# Altium PCB 键盘.PcbDoc (part 10 of 10)
Units mm, origin at the board's own origin, x right, y up, seen from the top; angles counter-clockwise.
Board outline 100 x 100 mm, 2 copper layers (Top Layer, Bottom Layer); 85 components, 82 nets, 333 pads, 92 vias.
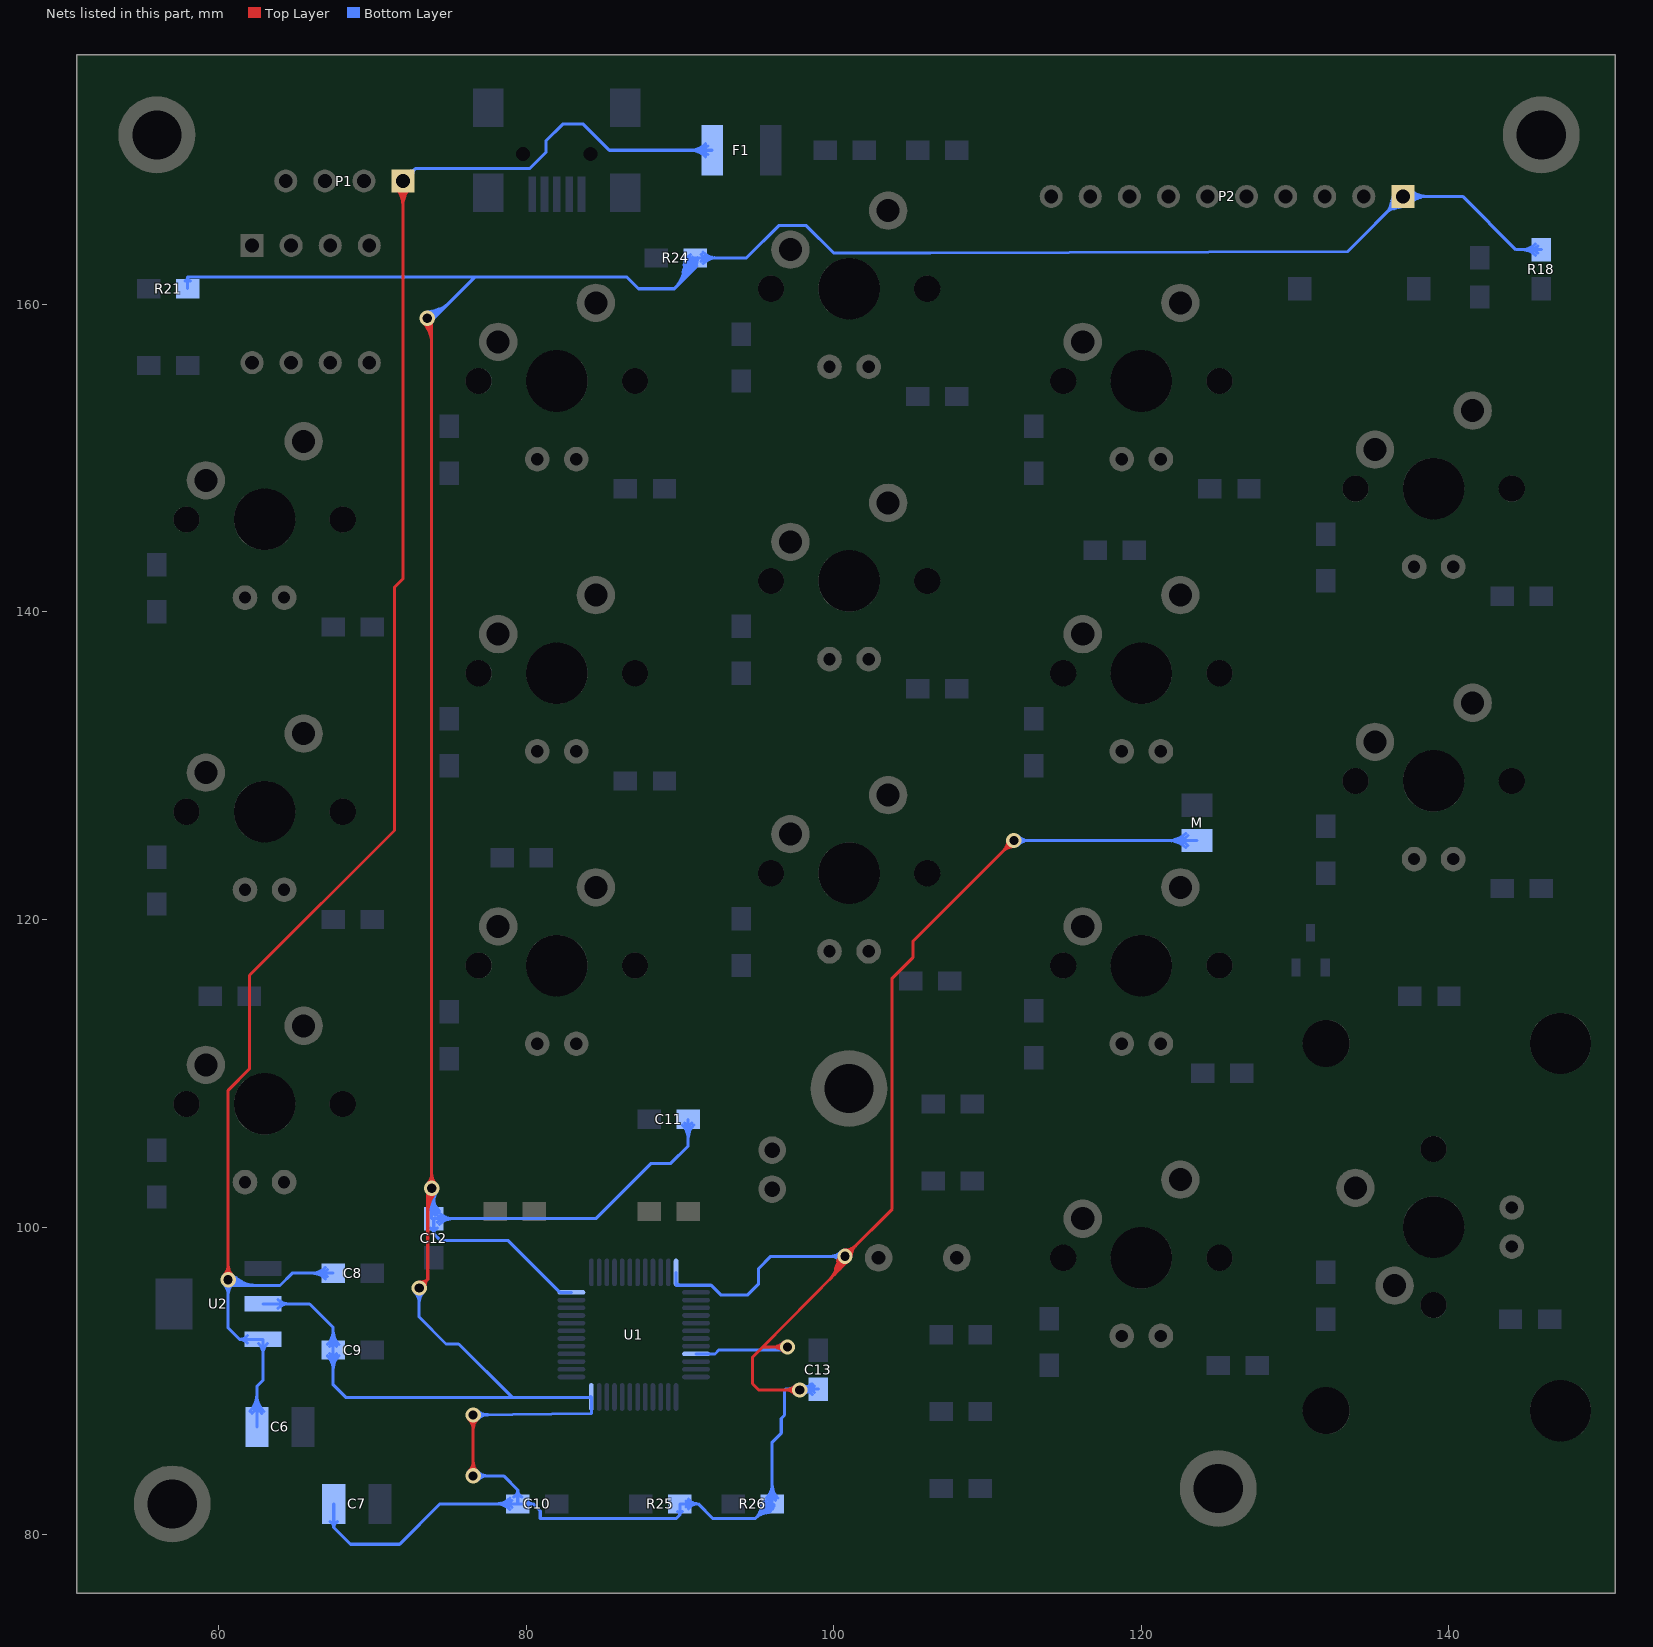
[diagram p10: the nets of this part, all layers, seen from the top]

## Via types
v1: diameter 1, hole 0.6, Top Layer to Bottom Layer, 92 vias

## Nets (pads, with @x,y where several pads share a name; then routed paths per layer and width w, separated by ;. In a path a pad name is that pad's centre, name@x,y a point inside that pad or via, vN(x,y) a via of type N, cw(c..) or ccw(c..) an arc to the next point about the centre after c; other vN are vias at no path point) (continued)
VCC: C6.1 C8.2 F1.1 P1.1 U2.3 | length 214.3
  Top Layer w0.2: v1(60.63,96.571) 60.63,108.882 62.027,110.279 62.027,116.357 71.45,125.781 71.45,141.596 72,142.146 P1.1@72,168 ; v1@60.347,96.854 ccw(c59.664,97.536) 60.63,97.536 ; v1@60.347,96.854 ccw(c59.664,97.536) 60.63,97.536 ; v1@60.347,96.854 ccw(c59.664,97.536) 60.63,97.536 ; 60.63,97.536 ccw(c61.595,97.536) v1@60.913,96.854 ; 60.63,97.536 ccw(c61.595,97.536) v1@60.913,96.854 ; 60.63,97.536 ccw(c61.595,97.536) v1@60.913,96.854 ; P1.1@71.54,167.54 cw(c70.431,166.431) 72,166.431 ; P1.1@71.54,167.54 cw(c70.431,166.431) 72,166.431 ; P1.1@71.54,167.54 cw(c70.431,166.431) 72,166.431 ; P1.1@71.682,167.682 cw(c70.914,166.914) 72,166.914 ; P1.1@71.682,167.682 cw(c70.914,166.914) 72,166.914 ; P1.1@71.682,167.682 cw(c70.914,166.914) 72,166.914 ; 72,166.431 cw(c73.569,166.431) P1.1@72.46,167.54 ; 72,166.431 cw(c73.569,166.431) P1.1@72.46,167.54 ; 72,166.431 cw(c73.569,166.431) P1.1@72.46,167.54 ; 72,166.914 cw(c73.086,166.914) P1.1@72.318,167.682 ; 72,166.914 cw(c73.086,166.914) P1.1@72.318,167.682 ; 72,166.914 cw(c73.086,166.914) P1.1@72.318,167.682
  Bottom Layer w0.2: C6.1@62.5,87 62.5,89.637 62.9,90.037 U2.3@62.9,92.7 61.366,92.7 ; C8.2@67.46,97 64.8,97 64,96.2 61.001,96.2 v1(60.63,96.571) ; P1.1@72,168 72.808,168.808 ; F1.1@92.1,170 85.418,170 83.718,171.7 82.384,171.7 81.302,170.618 81.302,169.861 80.25,168.808 72.808,168.808 ; v1@60.347,96.288 cw(c59.664,95.605) 60.63,95.605 ; v1@60.347,96.288 cw(c59.664,95.605) 60.63,95.605 ; v1@60.347,96.288 cw(c59.664,95.605) 60.63,95.605 ; v1@60.488,96.429 ccw(c61.042,96.983) 61.042,96.2 ; v1@60.488,96.429 ccw(c61.042,96.983) 61.042,96.2 ; v1@60.488,96.429 ccw(c61.042,96.983) 61.042,96.2 ; 60.63,95.605 cw(c61.595,95.605) v1@60.913,96.288 ; 60.63,95.605 cw(c61.595,95.605) v1@60.913,96.288 ; 60.63,95.605 cw(c61.595,95.605) v1@60.913,96.288 ; v1(60.63,96.571) cw(c60.958,96.347) 61.177,96.678 ; v1(60.63,96.571) cw(c60.958,96.347) 61.177,96.678 ; v1(60.63,96.571) ccw(c61.525,97.466) 61.525,96.2 ; v1(60.63,96.571) cw(c60.958,96.347) 61.177,96.678 ; v1(60.63,96.571) ccw(c61.525,97.466) 61.525,96.2 ; v1(60.63,96.571) ccw(c61.525,97.466) 61.525,96.2 ; v1(60.63,96.571) 60.63,93.437 61.366,92.7 ; v1@60.759,96.418 cw(c61.014,96.115) 61.212,96.458 ; v1@60.759,96.418 cw(c61.014,96.115) 61.212,96.458 ; v1@60.759,96.418 cw(c61.014,96.115) 61.212,96.458 ; v1@60.771,96.712 ccw(c62.008,97.949) 62.008,96.2 ; v1@60.771,96.712 ccw(c62.008,97.949) 62.008,96.2 ; v1@60.771,96.712 ccw(c62.008,97.949) 62.008,96.2 ; v1@60.795,96.458 cw(c61.126,96.233) 61.346,96.566 ; v1@60.795,96.458 cw(c61.126,96.233) 61.346,96.566 ; v1@60.795,96.458 cw(c61.126,96.233) 61.346,96.566 ; v1@60.847,96.235 cw(c61.029,95.952) 61.197,96.243 ; v1@60.847,96.235 cw(c61.029,95.952) 61.197,96.243 ; v1@60.847,96.235 cw(c61.029,95.952) 61.197,96.243 ; v1@60.888,96.265 cw(c61.209,95.883) 61.458,96.315 ; v1@60.888,96.265 cw(c61.209,95.883) 61.458,96.315 ; v1@60.888,96.265 cw(c61.209,95.883) 61.458,96.315 ; v1@60.913,96.854 ccw(c62.491,98.432) 62.491,96.2 ; v1@60.913,96.854 ccw(c62.491,98.432) 62.491,96.2 ; v1@60.913,96.854 ccw(c62.491,98.432) 62.491,96.2 ; v1@60.96,96.346 cw(c61.293,96.119) 61.515,96.455 ; v1@60.96,96.346 cw(c61.293,96.119) 61.515,96.455 ; v1@60.96,96.346 cw(c61.293,96.119) 61.515,96.455 ; v1@61.016,96.674 ccw(c61.312,96.754) 61.159,96.488 ; v1@61.016,96.674 ccw(c61.312,96.754) 61.159,96.488 ; v1@61.016,96.674 ccw(c61.312,96.754) 61.159,96.488 ; v1@61.029,96.551 ccw(c61.366,96.535) 61.197,96.243 ; v1@61.029,96.551 ccw(c61.366,96.535) 61.197,96.243 ; v1@61.029,96.551 ccw(c61.366,96.535) 61.197,96.243 ; 61.366,92.7 cw(c61.366,92.031) U2.3@61.888,92.45 ; 61.366,92.7 ccw(c61.366,93.369) U2.3@61.888,92.95 ; 61.366,92.7 cw(c61.366,92.031) U2.3@61.888,92.45 ; 61.366,92.7 ccw(c61.366,93.369) U2.3@61.888,92.95 ; 61.366,92.7 cw(c61.366,92.031) U2.3@61.888,92.45 ; 61.366,92.7 ccw(c61.366,93.369) U2.3@61.888,92.95 ; C6.1@62.04,88.01 ccw(c60.931,89.119) 62.5,89.119 ; C6.1@62.04,88.01 ccw(c60.931,89.119) 62.5,89.119 ; C6.1@62.04,88.01 ccw(c60.931,89.119) 62.5,89.119 ; C6.1@62.182,87.868 ccw(c61.414,88.636) 62.5,88.636 ; C6.1@62.182,87.868 ccw(c61.414,88.636) 62.5,88.636 ; C6.1@62.182,87.868 ccw(c61.414,88.636) 62.5,88.636 ; 62.5,88.636 ccw(c63.586,88.636) C6.1@62.818,87.868 ; 62.5,88.636 ccw(c63.586,88.636) C6.1@62.818,87.868 ; 62.5,88.636 ccw(c63.586,88.636) C6.1@62.818,87.868 ; 62.5,89.119 ccw(c64.069,89.119) C6.1@62.96,88.01 ; 62.5,89.119 ccw(c64.069,89.119) C6.1@62.96,88.01 ; 62.5,89.119 ccw(c64.069,89.119) C6.1@62.96,88.01 ; U2.3@62.617,92.417 cw(c61.934,91.734) 62.9,91.734 ; U2.3@62.617,92.417 cw(c61.934,91.734) 62.9,91.734 ; U2.3@62.617,92.417 cw(c61.934,91.734) 62.9,91.734 ; 62.9,91.734 cw(c63.866,91.734) U2.3@63.183,92.417 ; 62.9,91.734 cw(c63.866,91.734) U2.3@63.183,92.417 ; 62.9,91.734 cw(c63.866,91.734) U2.3@63.183,92.417 ; 66.056,97 cw(c66.056,95.733) C8.2@66.952,96.629 ; 66.056,97 ccw(c66.056,98.267) C8.2@66.952,97.371 ; 66.056,97 cw(c66.056,95.733) C8.2@66.952,96.629 ; 66.056,97 ccw(c66.056,98.267) C8.2@66.952,97.371 ; 66.056,97 cw(c66.056,95.733) C8.2@66.952,96.629 ; 66.056,97 ccw(c66.056,98.267) C8.2@66.952,97.371 ; 66.538,97 cw(c66.538,96.215) C8.2@67.093,96.77 ; 66.538,97 ccw(c66.538,97.785) C8.2@67.093,97.23 ; 66.538,97 cw(c66.538,96.215) C8.2@67.093,96.77 ; 66.538,97 ccw(c66.538,97.785) C8.2@67.093,97.23 ; 66.538,97 cw(c66.538,96.215) C8.2@67.093,96.77 ; 66.538,97 ccw(c66.538,97.785) C8.2@67.093,97.23 ; P1.1@72.111,168.436 ccw(c72.227,168.893) P1.1@72.56,168.56 ; P1.1@72.111,168.436 ccw(c72.227,168.893) P1.1@72.56,168.56 ; P1.1@72.111,168.436 ccw(c72.227,168.893) P1.1@72.56,168.56 ; P1.1@72.16,168.63 ccw(c72.327,169.289) 72.808,168.808 ; P1.1@72.16,168.63 ccw(c72.327,169.289) 72.808,168.808 ; P1.1@72.16,168.63 ccw(c72.327,169.289) 72.808,168.808 ; P1.1@72.436,168.111 cw(c72.893,168.227) P1.1@72.56,168.56 ; P1.1@72.436,168.111 cw(c72.893,168.227) P1.1@72.56,168.56 ; P1.1@72.436,168.111 cw(c72.893,168.227) P1.1@72.56,168.56 ; P1.1@72.63,168.16 cw(c73.289,168.327) 72.808,168.808 ; P1.1@72.63,168.16 cw(c73.289,168.327) 72.808,168.808 ; P1.1@72.63,168.16 cw(c73.289,168.327) 72.808,168.808 ; 90.651,170 cw(c90.651,168.551) F1.1@91.676,169.576 ; 90.651,170 ccw(c90.651,171.449) F1.1@91.676,170.424 ; 90.651,170 cw(c90.651,168.551) F1.1@91.676,169.576 ; 90.651,170 ccw(c90.651,171.449) F1.1@91.676,170.424 ; 90.651,170 cw(c90.651,168.551) F1.1@91.676,169.576 ; 90.651,170 ccw(c90.651,171.449) F1.1@91.676,170.424 ; 91.134,170 cw(c91.134,169.034) F1.1@91.817,169.717 ; 91.134,170 ccw(c91.134,170.966) F1.1@91.817,170.283 ; 91.134,170 cw(c91.134,169.034) F1.1@91.817,169.717 ; 91.134,170 ccw(c91.134,170.966) F1.1@91.817,170.283 ; 91.134,170 cw(c91.134,169.034) F1.1@91.817,169.717 ; 91.134,170 ccw(c91.134,170.966) F1.1@91.817,170.283
VCC3V3: C7.1 C9.2 C10.2 C11.2 C12.2 C13.2 M.1 P2.1 R18.2 R21.1 R24.1 R25.1 R26.1 U1.9 U1.24 U1.36 U1.48 U2.2 | length 798.3
  Top Layer w0.2: v1(73.05,96.037) 73.609,96.596 ; v1(76.556,83.82) v1(76.556,87.782) ; v1(97,92.2) 95.375,92.2 94.717,91.542 ; v1(97.79,89.408) 95.123,89.408 94.717,89.814 94.717,91.542 ; v1@100.352,97.984 cw(c99.984,97.877) 100.257,97.609 cw(c100.53,97.34) v1@100.631,97.709 ; 100.477,97.627 cw(c100.673,97.392) v1@100.701,97.696 ; v1@72.894,96.162 cw(c73.547,95.64) 73.455,96.471 ; v1@72.894,96.162 cw(c73.547,95.64) 73.455,96.471 ; v1@72.894,96.162 cw(c73.547,95.64) 73.455,96.471 ; v1@73.111,96.433 ccw(c73.199,97.007) 73.609,96.596 ; v1@73.111,96.433 ccw(c73.199,97.007) 73.609,96.596 ; v1@73.111,96.433 ccw(c73.199,97.007) 73.609,96.596 ; v1@73.175,95.881 ccw(c72.653,96.534) 73.484,96.442 ; v1@73.175,95.881 ccw(c72.653,96.534) 73.484,96.442 ; v1@73.175,95.881 ccw(c72.653,96.534) 73.484,96.442 ; v1@73.301,158.797 cw(c71.944,157.44) 73.863,157.44 ; v1@73.301,158.797 cw(c71.944,157.44) 73.863,157.44 ; v1@73.301,158.797 cw(c71.944,157.44) 73.863,157.44 ; v1@73.442,158.939 cw(c72.426,157.923) 73.863,157.923 ; v1@73.442,158.939 cw(c72.426,157.923) 73.863,157.923 ; v1@73.442,158.939 cw(c72.426,157.923) 73.863,157.923 ; v1@73.446,96.098 cw(c74.02,96.186) 73.609,96.596 ; v1@73.446,96.098 cw(c74.02,96.186) 73.609,96.596 ; v1@73.446,96.098 cw(c74.02,96.186) 73.609,96.596 ; v1@73.48,158.694 cw(c73.401,158.398) 73.666,158.551 ; v1@73.48,158.694 cw(c73.401,158.398) 73.666,158.551 ; v1@73.48,158.694 cw(c73.401,158.398) 73.666,158.551 ; v1@73.58,102.797 ccw(c72.898,103.48) 73.863,103.48 ; v1@73.58,102.797 ccw(c72.898,103.48) 73.863,103.48 ; v1@73.58,102.797 ccw(c72.898,103.48) 73.863,103.48 ; v1(73.584,159.08) cw(c72.909,158.406) 73.863,158.406 ; v1(73.584,159.08) cw(c72.909,158.406) 73.863,158.406 ; v1(73.584,159.08) cw(c72.909,158.406) 73.863,158.406 ; v1(73.584,159.08) 73.863,158.801 v1(73.863,102.514) ; 73.609,96.596 73.609,102.261 v1(73.863,102.514) ; 73.609,100.936 cw(c75.442,100.936) v1@74.146,102.232 ; 73.609,100.936 cw(c75.442,100.936) v1@74.146,102.232 ; 73.609,100.936 cw(c75.442,100.936) v1@74.146,102.232 ; 73.609,101.419 cw(c74.959,101.419) v1@74.005,102.373 ; 73.609,101.419 cw(c74.959,101.419) v1@74.005,102.373 ; 73.609,101.419 cw(c74.959,101.419) v1@74.005,102.373 ; 73.609,101.901 cw(c74.476,101.901) v1(73.863,102.514) ; 73.609,101.901 cw(c74.476,101.901) v1(73.863,102.514) ; 73.609,101.901 cw(c74.476,101.901) v1(73.863,102.514) ; v1@73.638,102.184 cw(c73.503,101.985) 73.711,101.865 ; v1@73.638,102.184 cw(c73.503,101.985) 73.711,101.865 ; v1@73.638,102.184 cw(c73.503,101.985) 73.711,101.865 ; 73.758,158.391 cw(c74.01,158.537) v1@73.831,158.766 ; 73.758,158.391 cw(c74.01,158.537) v1@73.831,158.766 ; 73.758,158.391 cw(c74.01,158.537) v1@73.831,158.766 ; 73.781,101.985 cw(c74.046,101.832) v1@73.967,102.128 ; 73.781,101.985 cw(c74.046,101.832) v1@73.967,102.128 ; 73.781,101.985 cw(c74.046,101.832) v1@73.967,102.128 ; 73.863,103.48 ccw(c74.829,103.48) v1@74.146,102.797 ; 73.863,103.48 ccw(c74.829,103.48) v1@74.146,102.797 ; 73.863,103.48 ccw(c74.829,103.48) v1@74.146,102.797 ; v1@76.273,84.103 ccw(c75.59,84.786) 76.556,84.786 ; v1@76.273,84.103 ccw(c75.59,84.786) 76.556,84.786 ; v1@76.273,84.103 ccw(c75.59,84.786) 76.556,84.786 ; v1@76.273,87.5 cw(c75.59,86.817) 76.556,86.817 ; v1@76.273,87.5 cw(c75.59,86.817) 76.556,86.817 ; v1@76.273,87.5 cw(c75.59,86.817) 76.556,86.817 ; 76.556,84.786 ccw(c77.521,84.786) v1@76.838,84.103 ; 76.556,84.786 ccw(c77.521,84.786) v1@76.838,84.103 ; 76.556,84.786 ccw(c77.521,84.786) v1@76.838,84.103 ; 76.556,86.817 cw(c77.521,86.817) v1@76.838,87.5 ; 76.556,86.817 cw(c77.521,86.817) v1@76.838,87.5 ; 76.556,86.817 cw(c77.521,86.817) v1@76.838,87.5 ; 94.717,91.542 v1@100.736,97.595 ; 96.034,92.2 cw(c96.034,91.234) v1@96.717,91.917 ; 96.034,92.2 ccw(c96.034,93.166) v1@96.717,92.483 ; 96.034,92.2 cw(c96.034,91.234) v1@96.717,91.917 ; 96.034,92.2 ccw(c96.034,93.166) v1@96.717,92.483 ; 96.034,92.2 cw(c96.034,91.234) v1@96.717,91.917 ; 96.034,92.2 ccw(c96.034,93.166) v1@96.717,92.483 ; 96.824,89.408 cw(c96.824,88.442) v1@97.507,89.125 ; 96.824,89.408 ccw(c96.824,90.374) v1@97.507,89.691 ; 96.824,89.408 cw(c96.824,88.442) v1@97.507,89.125 ; 96.824,89.408 ccw(c96.824,90.374) v1@97.507,89.691 ; 96.824,89.408 cw(c96.824,88.442) v1@97.507,89.125 ; 96.824,89.408 ccw(c96.824,90.374) v1@97.507,89.691 ; 99.705,96.558 ccw(c98.168,98.088) v1@100.336,98.094 ; 99.705,96.558 ccw(c98.168,98.088) v1@100.336,98.094 ; 99.705,96.558 ccw(c98.168,98.088) v1@100.336,98.094 ; 100.046,96.901 ccw(c98.85,98.09) v1@100.536,98.094 ; 100.046,96.901 ccw(c98.85,98.09) v1@100.536,98.094 ; 100.046,96.901 ccw(c98.85,98.09) v1@100.536,98.094 ; 100.127,97.289 cw(c101.404,96.957) v1(100.736,98.095) ; 100.127,97.289 cw(c101.404,96.957) v1(100.736,98.095) ; 100.127,97.289 cw(c101.404,96.957) v1(100.736,98.095) ; 100.249,97.756 cw(c101.059,97.545) v1@100.635,98.267 ; 100.249,97.756 cw(c101.059,97.545) v1@100.635,98.267 ; 100.249,97.756 cw(c101.059,97.545) v1@100.635,98.267 ; 100.335,97.335 cw(c101.194,97.107) v1@100.82,97.913 ; 100.335,97.335 cw(c101.194,97.107) v1@100.82,97.913 ; 100.335,97.335 cw(c101.194,97.107) v1@100.82,97.913 ; 100.386,97.243 ccw(c99.533,98.091) v1(100.736,98.095) ; 100.386,97.243 ccw(c99.533,98.091) v1(100.736,98.095) ; 100.386,97.243 ccw(c99.533,98.091) v1(100.736,98.095) ; v1@100.391,97.894 cw(c100.126,97.74) 100.422,97.662 ; v1@100.391,97.894 cw(c100.126,97.74) 100.422,97.662 ; v1@100.391,97.894 cw(c100.126,97.74) 100.422,97.662 ; v1@100.482,97.786 cw(c100.302,97.566) 100.577,97.493 ; v1@100.482,97.786 cw(c100.302,97.566) 100.577,97.493 ; v1@100.482,97.786 cw(c100.302,97.566) 100.577,97.493 ; 100.577,97.493 cw(c100.852,97.42) v1@100.804,97.701 ; 100.577,97.493 cw(c100.852,97.42) v1@100.804,97.701 ; 100.577,97.493 cw(c100.852,97.42) v1@100.804,97.701 ; 100.727,97.585 ccw(c100.216,98.093) v1@100.936,98.095 ; 100.727,97.585 ccw(c100.216,98.093) v1@100.936,98.095 ; 100.727,97.585 ccw(c100.216,98.093) v1@100.936,98.095 ; v1@100.736,97.595 v1(100.736,98.095) ; v1@100.736,97.595 100.986,97.846 100.986,98.345 103.8,101.158 103.8,116.17 105.146,117.515 105.146,118.557 v1(111.716,125.127) ; v1(100.736,98.095) cw(c101.421,97.955) 101.24,98.63 ; v1(100.736,98.095) ccw(c100.596,98.78) 101.271,98.599 ; v1(100.736,98.095) cw(c101.421,97.955) 101.24,98.63 ; v1(100.736,98.095) ccw(c100.596,98.78) 101.271,98.599 ; v1(100.736,98.095) cw(c101.421,97.955) 101.24,98.63 ; v1(100.736,98.095) ccw(c100.596,98.78) 101.271,98.599 ; v1@100.736,98.495 ccw(c100.736,99.46) 101.419,98.778 ; v1@100.736,98.495 ccw(c100.736,99.46) 101.419,98.778 ; v1@100.736,98.495 ccw(c100.736,99.46) 101.419,98.778 ; v1@101.136,98.095 cw(c102.102,98.095) 101.419,98.778 ; v1@101.136,98.095 cw(c102.102,98.095) 101.419,98.778 ; v1@101.136,98.095 cw(c102.102,98.095) 101.419,98.778 ; 111.033,124.444 cw(c111.716,123.761) v1@111.716,124.727 ; 111.033,124.444 ccw(c110.35,125.127) v1@111.316,125.127 ; 111.033,124.444 cw(c111.716,123.761) v1@111.716,124.727 ; 111.033,124.444 ccw(c110.35,125.127) v1@111.316,125.127 ; 111.033,124.444 cw(c111.716,123.761) v1@111.716,124.727 ; 111.033,124.444 ccw(c110.35,125.127) v1@111.316,125.127 ; 111.181,124.623 cw(c111.856,124.442) v1(111.716,125.127) ; 111.181,124.623 cw(c111.856,124.442) v1(111.716,125.127) ; 111.181,124.623 cw(c111.856,124.442) v1(111.716,125.127) ; 111.212,124.592 ccw(c111.031,125.267) v1(111.716,125.127) ; 111.212,124.592 ccw(c111.031,125.267) v1(111.716,125.127) ; 111.212,124.592 ccw(c111.031,125.267) v1(111.716,125.127)
  Bottom Layer w0.2: R21.1@58,161 58,161.747 ; U2.2@62.9,95 65.932,95 67.46,93.472 C9.2@67.46,92 67.46,89.741 68.275,88.925 79.096,88.925 ; C7.1@67.5,82 67.5,80.467 ; v1(73.05,96.037) 73.05,94.15 74.8,92.4 75.621,92.4 79.096,88.925 ; v1(73.863,102.514) 73.863,100.54 C12.2@74,100.54 ; v1(76.556,83.82) 78.546,83.82 79.46,82.906 ; v1(76.556,87.782) 84.25,87.876 U1.24@84.25,88.925 ; U1.36@82.95,95.75 82.194,95.75 78.808,99.136 74.432,99.136 74,99.568 ; U1.24@84.25,88.95 U1.24@84.25,88.925 ; U1.48@89.75,97.05 89.75,96.215 92.036,96.215 92.659,95.592 94.412,95.592 95.123,96.303 95.123,97.307 95.91,98.095 v1(100.736,98.095) ; R24.1@90.488,162.633 cw(c90.346,162.494) 90.499,162.368 cw(c90.744,162.166) R24.1@90.789,162.48 ; C11.2@90.54,107 90.54,105.272 89.408,104.14 88.141,104.14 84.541,100.54 C12.2@74,100.54 ; U1.9@91.05,91.75 92.278,91.75 92.528,92 v1@97.207,92 ; v1(97.79,89.408) v1@97.842,89.46 ; C13.2@99,89.46 v1@97.842,89.46 ; v1(111.716,125.127) M.1@123.619,125.127 ; R18.2@146,163.54 144.348,163.54 140.888,167 P2.1@137,167 133.424,163.424 106.29,163.33 99.992,163.33 98.222,165.1 96.418,165.1 94.318,163 R24.1@91,163 91,162.357 ; R21.1@57.822,161.494 ccw(c57.731,161.747) 58,161.747 ; R21.1@57.822,161.494 ccw(c57.731,161.747) 58,161.747 ; R21.1@57.822,161.494 ccw(c57.731,161.747) 58,161.747 ; 58,161.747 ccw(c58.269,161.747) R21.1@58.178,161.494 ; 58,161.747 ccw(c58.269,161.747) R21.1@58.178,161.494 ; 58,161.747 ccw(c58.269,161.747) R21.1@58.178,161.494 ; 58,161.747 76.657,161.747 ; U2.2@63.883,94.717 cw(c64.566,94.034) 64.566,95 ; U2.2@63.883,94.717 cw(c64.566,94.034) 64.566,95 ; U2.2@63.883,94.717 cw(c64.566,94.034) 64.566,95 ; U2.2@63.883,95.283 ccw(c64.566,95.966) 64.566,95 ; U2.2@63.883,95.283 ccw(c64.566,95.966) 64.566,95 ; U2.2@63.883,95.283 ccw(c64.566,95.966) 64.566,95 ; C9.2@67.089,91.629 cw(c66.193,90.733) 67.46,90.733 ; C9.2@67.089,91.629 cw(c66.193,90.733) 67.46,90.733 ; C9.2@67.089,91.629 cw(c66.193,90.733) 67.46,90.733 ; C9.2@67.089,92.371 ccw(c66.193,93.267) 67.46,93.267 ; C9.2@67.089,92.371 ccw(c66.193,93.267) 67.46,93.267 ; C9.2@67.089,92.371 ccw(c66.193,93.267) 67.46,93.267 ; C9.2@67.23,91.77 cw(c66.675,91.215) 67.46,91.215 ; C9.2@67.23,91.77 cw(c66.675,91.215) 67.46,91.215 ; C9.2@67.23,91.77 cw(c66.675,91.215) 67.46,91.215 ; C9.2@67.23,92.23 ccw(c66.675,92.785) 67.46,92.785 ; C9.2@67.23,92.23 ccw(c66.675,92.785) 67.46,92.785 ; C9.2@67.23,92.23 ccw(c66.675,92.785) 67.46,92.785 ; C7.1@67.246,80.852 cw(c67.082,80.467) 67.5,80.467 ; C7.1@67.246,80.852 cw(c67.082,80.467) 67.5,80.467 ; C7.1@67.246,80.852 cw(c67.082,80.467) 67.5,80.467 ; 67.46,90.733 cw(c68.727,90.733) C9.2@67.831,91.629 ; 67.46,90.733 cw(c68.727,90.733) C9.2@67.831,91.629 ; 67.46,90.733 cw(c68.727,90.733) C9.2@67.831,91.629 ; 67.46,91.215 cw(c68.245,91.215) C9.2@67.69,91.77 ; 67.46,91.215 cw(c68.245,91.215) C9.2@67.69,91.77 ; 67.46,91.215 cw(c68.245,91.215) C9.2@67.69,91.77 ; 67.46,92.785 ccw(c68.245,92.785) C9.2@67.69,92.23 ; 67.46,92.785 ccw(c68.245,92.785) C9.2@67.69,92.23 ; 67.46,92.785 ccw(c68.245,92.785) C9.2@67.69,92.23 ; 67.46,93.267 ccw(c68.727,93.267) C9.2@67.831,92.371 ; 67.46,93.267 ccw(c68.727,93.267) C9.2@67.831,92.371 ; 67.46,93.267 ccw(c68.727,93.267) C9.2@67.831,92.371 ; 67.5,80.467 cw(c67.918,80.467) C7.1@67.754,80.852 ; 67.5,80.467 cw(c67.918,80.467) C7.1@67.754,80.852 ; 67.5,80.467 cw(c67.918,80.467) C7.1@67.754,80.852 ; 67.5,80.467 68.592,79.375 71.78,79.375 74.405,82 C10.2@79.46,82 ; v1@72.768,95.755 cw(c72.085,95.072) 73.05,95.072 ; v1@72.768,95.755 cw(c72.085,95.072) 73.05,95.072 ; v1@72.768,95.755 cw(c72.085,95.072) 73.05,95.072 ; 73.05,95.072 cw(c74.016,95.072) v1@73.333,95.755 ; 73.05,95.072 cw(c74.016,95.072) v1@73.333,95.755 ; 73.05,95.072 cw(c74.016,95.072) v1@73.333,95.755 ; v1@73.406,159.172 cw(c74.091,158.818) 73.891,159.563 ; v1@73.406,159.172 cw(c74.091,158.818) 73.891,159.563 ; v1@73.406,159.172 cw(c74.091,158.818) 73.891,159.563 ; v1@73.58,102.232 cw(c72.898,101.549) 73.863,101.549 ; v1@73.58,102.232 cw(c72.898,101.549) 73.863,101.549 ; v1@73.58,102.232 cw(c72.898,101.549) 73.863,101.549 ; v1(73.584,159.08) ccw(c73.584,160.061) 74.278,159.368 ; v1(73.584,159.08) cw(c74.635,158.537) 74.329,159.68 ; v1(73.584,159.08) cw(c74.635,158.537) 74.329,159.68 ; v1(73.584,159.08) ccw(c73.584,160.061) 74.278,159.368 ; v1(73.584,159.08) cw(c74.635,158.537) 74.329,159.68 ; v1(73.584,159.08) ccw(c73.584,160.061) 74.278,159.368 ; v1(73.584,159.08) 73.99,159.08 76.657,161.747 ; v1@73.584,159.28 ccw(c73.584,160.744) 74.619,159.709 ; v1@73.584,159.28 ccw(c73.584,160.744) 74.619,159.709 ; v1@73.584,159.28 ccw(c73.584,160.744) 74.619,159.709 ; v1@73.584,159.48 ccw(c73.584,161.427) 74.96,160.05 ; v1@73.584,159.48 ccw(c73.584,161.427) 74.96,160.05 ; v1@73.584,159.48 ccw(c73.584,161.427) 74.96,160.05 ; C12.2@73.629,101.048 ccw(c73.063,101.614) 73.863,101.614 ; C12.2@73.629,101.048 ccw(c73.063,101.614) 73.863,101.614 ; C12.2@73.629,101.048 ccw(c73.063,101.614) 73.863,101.614 ; v1@73.659,102.17 cw(c73.271,101.514) 74.01,101.703 ; v1@73.659,102.17 cw(c73.271,101.514) 74.01,101.703 ; v1@73.659,102.17 cw(c73.271,101.514) 74.01,101.703 ; v1@73.659,102.17 cw(c73.271,101.514) 74.01,101.703 ; v1@73.659,102.17 cw(c73.271,101.514) 74.01,101.703 ; v1@73.659,102.17 cw(c73.271,101.514) 74.01,101.703 ; v1@73.772,159.011 cw(c74.455,158.76) 74.266,159.463 ; v1@73.772,159.011 cw(c74.455,158.76) 74.266,159.463 ; v1@73.772,159.011 cw(c74.455,158.76) 74.266,159.463 ; C12.2@73.772,99.93 cw(c73.599,99.568) 74,99.568 ; C12.2@73.772,99.93 cw(c73.599,99.568) 74,99.568 ; C12.2@73.772,99.93 cw(c73.599,99.568) 74,99.568 ; v1@73.784,159.427 ccw(c73.937,159.692) 74.016,159.396 ; v1@73.784,159.427 ccw(c73.937,159.692) 74.016,159.396 ; v1@73.784,159.427 ccw(c73.937,159.692) 74.016,159.396 ; 73.863,101.309 ccw(c74.632,101.309) C12.2@74.088,100.765 ; 73.863,101.309 ccw(c74.632,101.309) C12.2@74.088,100.765 ; 73.863,101.309 ccw(c74.632,101.309) C12.2@74.088,100.765 ; 73.863,101.549 cw(c74.829,101.549) v1@74.146,102.232 ; 73.863,101.549 cw(c74.829,101.549) v1@74.146,102.232 ; 73.863,101.549 cw(c74.829,101.549) v1@74.146,102.232 ; 73.863,101.792 ccw(c75.115,101.792) C12.2@74.23,100.907 ; 73.863,101.792 ccw(c75.115,101.792) C12.2@74.23,100.907 ; 73.863,101.792 ccw(c75.115,101.792) C12.2@74.23,100.907 ; v1@73.863,102.275 ccw(c75.598,102.275) C12.2@74.371,101.048 ; v1@73.863,102.275 ccw(c75.598,102.275) C12.2@74.371,101.048 ; v1@73.863,102.275 ccw(c75.598,102.275) C12.2@74.371,101.048 ; 73.944,101.961 cw(c74.453,102.091) v1@74.026,102.398 ; 73.944,101.961 cw(c74.453,102.091) v1@74.026,102.398 ; 73.944,101.961 cw(c74.453,102.091) v1@74.026,102.398 ; 73.944,101.961 cw(c74.453,102.091) v1@74.026,102.398 ; 73.944,101.961 cw(c74.453,102.091) v1@74.026,102.398 ; 73.944,101.961 cw(c74.453,102.091) v1@74.026,102.398 ; 74,99.568 cw(c74.401,99.568) C12.2@74.228,99.93 ; 74,99.568 cw(c74.401,99.568) C12.2@74.228,99.93 ; 74,99.568 cw(c74.401,99.568) C12.2@74.228,99.93 ; 74,99.568 C12.2@74,100.54 ; 74.05,101.546 cw(c74.907,101.765) v1@74.188,102.281 ; 74.05,101.546 cw(c74.907,101.765) v1@74.188,102.281 ; 74.05,101.546 cw(c74.907,101.765) v1@74.188,102.281 ; 74.05,101.546 cw(c74.907,101.765) v1@74.188,102.281 ; 74.05,101.546 cw(c74.907,101.765) v1@74.188,102.281 ; 74.05,101.546 cw(c74.907,101.765) v1@74.188,102.281 ; C12.2@74.23,100.31 cw(c74.785,99.755) 74.785,100.54 ; C12.2@74.23,100.31 cw(c74.785,99.755) 74.785,100.54 ; C12.2@74.23,100.31 cw(c74.785,99.755) 74.785,100.54 ; C12.2@74.23,100.77 ccw(c74.785,101.325) 74.785,100.54 ; C12.2@74.23,100.77 ccw(c74.785,101.325) 74.785,100.54 ; C12.2@74.23,100.77 ccw(c74.785,101.325) 74.785,100.54 ; C12.2@74.371,100.169 cw(c75.267,99.273) 75.267,100.54 ; C12.2@74.371,100.169 cw(c75.267,99.273) 75.267,100.54 ; C12.2@74.371,100.169 cw(c75.267,99.273) 75.267,100.54 ; C12.2@74.371,100.911 ccw(c75.267,101.807) 75.267,100.54 ; C12.2@74.371,100.911 ccw(c75.267,101.807) 75.267,100.54 ; C12.2@74.371,100.911 ccw(c75.267,101.807) 75.267,100.54 ; 76.657,161.747 86.563,161.747 87.313,160.998 89.641,160.998 ; v1@76.835,88.069 ccw(c77.51,88.76) 77.521,87.794 ; v1@76.835,88.069 ccw(c77.51,88.76) 77.521,87.794 ; v1@76.835,88.069 ccw(c77.51,88.76) 77.521,87.794 ; v1@76.838,83.537 cw(c77.521,82.854) 77.521,83.82 ; v1@76.838,83.537 cw(c77.521,82.854) 77.521,83.82 ; v1@76.838,83.537 cw(c77.521,82.854) 77.521,83.82 ; v1@76.838,84.103 ccw(c77.521,84.786) 77.521,83.82 ; v1@76.838,84.103 ccw(c77.521,84.786) 77.521,83.82 ; v1@76.838,84.103 ccw(c77.521,84.786) 77.521,83.82 ; v1@76.842,87.503 cw(c77.533,86.828) 77.521,87.794 ; v1@76.842,87.503 cw(c77.533,86.828) 77.521,87.794 ; v1@76.842,87.503 cw(c77.533,86.828) 77.521,87.794 ; 78.056,82 cw(c78.056,80.733) C10.2@78.952,81.629 ; 78.056,82 ccw(c78.056,83.267) C10.2@78.952,82.371 ; 78.056,82 cw(c78.056,80.733) C10.2@78.952,81.629 ; 78.056,82 ccw(c78.056,83.267) C10.2@78.952,82.371 ; 78.056,82 cw(c78.056,80.733) C10.2@78.952,81.629 ; 78.056,82 ccw(c78.056,83.267) C10.2@78.952,82.371 ; 78.538,82 cw(c78.538,81.215) C10.2@79.093,81.77 ; 78.538,82 ccw(c78.538,82.785) C10.2@79.093,82.23 ; 78.538,82 cw(c78.538,81.215) C10.2@79.093,81.77 ; 78.538,82 ccw(c78.538,82.785) C10.2@79.093,82.23 ; 78.538,82 cw(c78.538,81.215) C10.2@79.093,81.77 ; 78.538,82 ccw(c78.538,82.785) C10.2@79.093,82.23 ; 79.096,88.925 U1.24@84.25,88.925 ; C10.2@79.199,82.456 ccw(c78.941,82.906) 79.46,82.906 ; C10.2@79.199,82.456 ccw(c78.941,82.906) 79.46,82.906 ; C10.2@79.199,82.456 ccw(c78.941,82.906) 79.46,82.906 ; C10.2@79.46,82 79.46,82.906 ; C10.2@79.46,82 80.467,82 ; 79.46,82.906 ccw(c79.979,82.906) C10.2@79.721,82.456 ; 79.46,82.906 ccw(c79.979,82.906) C10.2@79.721,82.456 ; 79.46,82.906 ccw(c79.979,82.906) C10.2@79.721,82.456 ; C10.2@80.061,81.755 cw(c80.467,81.541) 80.467,82 ; C10.2@80.061,81.755 cw(c80.467,81.541) 80.467,82 ; C10.2@80.061,81.755 cw(c80.467,81.541) 80.467,82 ; C10.2@80.061,82.245 ccw(c80.467,82.459) 80.467,82 ; C10.2@80.061,82.245 ccw(c80.467,82.459) 80.467,82 ; C10.2@80.061,82.245 ccw(c80.467,82.459) 80.467,82 ; 80.467,82 80.924,81.543 80.924,81.051 89.771,81.051 90,81.28 ; 84.07,88.925 ccw(c84.07,89.13) U1.24@84.215,88.985 ; 84.07,88.925 ccw(c84.07,89.13) U1.24@84.215,88.985 ; 84.07,88.925 ccw(c84.07,89.13) U1.24@84.215,88.985 ; 89.641,160.998 ccw(c87.926,162.714) R24.1@90.34,162.949 ; 89.641,160.998 ccw(c87.926,162.714) R24.1@90.34,162.949 ; 89.641,160.998 ccw(c87.926,162.714) R24.1@90.34,162.949 ; 89.641,160.998 91,162.357 ; U1.48@89.769,96.254 cw(c89.846,96.072) 89.945,96.243 ; U1.48@89.769,96.254 cw(c89.846,96.072) 89.945,96.243 ; U1.48@89.769,96.254 cw(c89.846,96.072) 89.945,96.243 ; U1.48@89.785,96.335 ccw(c90.075,96.625) 90.075,96.215 ; U1.48@89.785,96.335 ccw(c90.075,96.625) 90.075,96.215 ; U1.48@89.785,96.335 ccw(c90.075,96.625) 90.075,96.215 ; R25.1@89.84,81.5 cw(c89.769,81.28) 90,81.28 ; R25.1@89.84,81.5 cw(c89.769,81.28) 90,81.28 ; R25.1@89.84,81.5 cw(c89.769,81.28) 90,81.28 ; 89.941,161.297 ccw(c88.471,162.767) R24.1@90.54,162.968 ; 89.941,161.297 ccw(c88.471,162.767) R24.1@90.54,162.968 ; 89.941,161.297 ccw(c88.471,162.767) R24.1@90.54,162.968 ; 90,81.28 cw(c90.231,81.28) R25.1@90.161,81.5 ; 90,81.28 cw(c90.231,81.28) R25.1@90.161,81.5 ; 90,81.28 cw(c90.231,81.28) R25.1@90.161,81.5 ; 90,81.28 R25.1@90,82 91.186,82 ; C11.2@90.169,106.629 cw(c89.273,105.733) 90.54,105.733 ; C11.2@90.169,106.629 cw(c89.273,105.733) 90.54,105.733 ; C11.2@90.169,106.629 cw(c89.273,105.733) 90.54,105.733 ; 90.205,162.037 cw(c91.747,161.809) R24.1@90.818,163.06 ; 90.205,162.037 cw(c91.747,161.809) R24.1@90.818,163.06 ; 90.205,162.037 cw(c91.747,161.809) R24.1@90.818,163.06 ; 90.24,161.597 ccw(c89.017,162.82) R24.1@90.739,162.988 ; 90.24,161.597 ccw(c89.017,162.82) R24.1@90.739,162.988 ; 90.24,161.597 ccw(c89.017,162.82) R24.1@90.739,162.988 ; R24.1@90.276,162.515 cw(c91.34,162.357) R24.1@90.699,163.221 ; R24.1@90.276,162.515 cw(c91.34,162.357) R24.1@90.699,163.221 ; R24.1@90.276,162.515 cw(c91.34,162.357) R24.1@90.699,163.221 ; C11.2@90.31,106.77 cw(c89.755,106.215) 90.54,106.215 ; C11.2@90.31,106.77 cw(c89.755,106.215) 90.54,106.215 ; C11.2@90.31,106.77 cw(c89.755,106.215) 90.54,106.215 ; 90.38,162.006 cw(c91.735,161.781) R24.1@90.936,162.898 ; 90.38,162.006 cw(c91.735,161.781) R24.1@90.936,162.898 ; 90.38,162.006 cw(c91.735,161.781) R24.1@90.936,162.898 ; R25.1@90.397,81.805 cw(c90.786,81.514) 90.786,82 ; R25.1@90.397,81.805 cw(c90.786,81.514) 90.786,82 ; R25.1@90.397,81.805 cw(c90.786,81.514) 90.786,82 ; R25.1@90.397,82.195 ccw(c90.786,82.486) 90.786,82 ; R25.1@90.397,82.195 ccw(c90.786,82.486) 90.786,82 ; R25.1@90.397,82.195 ccw(c90.786,82.486) 90.786,82 ; R24.1@90.436,162.695 cw(c89.74,162.197) 90.584,162.057 ; R24.1@90.436,162.695 cw(c89.74,162.197) 90.584,162.057 ; R24.1@90.436,162.695 cw(c89.74,162.197) 90.584,162.057 ; R24.1@90.459,162.482 cw(c91.337,162.336) R24.1@90.819,163.061 ; R24.1@90.459,162.482 cw(c91.337,162.336) R24.1@90.819,163.061 ; R24.1@90.459,162.482 cw(c91.337,162.336) R24.1@90.819,163.061 ; 90.54,105.733 cw(c91.807,105.733) C11.2@90.911,106.629 ; 90.54,105.733 cw(c91.807,105.733) C11.2@90.911,106.629 ; 90.54,105.733 cw(c91.807,105.733) C11.2@90.911,106.629 ; 90.54,106.215 cw(c91.325,106.215) C11.2@90.77,106.77 ; 90.54,106.215 cw(c91.325,106.215) C11.2@90.77,106.77 ; 90.54,106.215 cw(c91.325,106.215) C11.2@90.77,106.77 ; 90.54,161.896 ccw(c89.563,162.873) R24.1@90.938,163.007 ; 90.54,161.896 ccw(c89.563,162.873) R24.1@90.938,163.007 ; 90.54,161.896 ccw(c89.563,162.873) R24.1@90.938,163.007 ; R25.1@90.557,81.685 cw(c91.186,81.215) 91.186,82 ; R25.1@90.557,81.685 cw(c91.186,81.215) 91.186,82 ; R25.1@90.557,81.685 cw(c91.186,81.215) 91.186,82 ; R25.1@90.557,82.315 ccw(c91.186,82.785) 91.186,82 ; R25.1@90.557,82.315 ccw(c91.186,82.785) 91.186,82 ; R25.1@90.557,82.315 ccw(c91.186,82.785) 91.186,82 ; 90.599,162.147 cw(c91.363,162.02) R24.1@91.011,162.711 ; 90.599,162.147 cw(c91.363,162.02) R24.1@91.011,162.711 ; 90.599,162.147 cw(c91.363,162.02) R24.1@91.011,162.711 ; 90.839,162.196 ccw(c90.108,162.926) R24.1@91.137,163.027 ; 90.839,162.196 ccw(c90.108,162.926) R24.1@91.137,163.027 ; 90.839,162.196 ccw(c90.108,162.926) R24.1@91.137,163.027 ; R24.1@90.895,162.486 cw(c90.869,162.357) 91,162.357 ; R24.1@90.895,162.486 cw(c90.869,162.357) 91,162.357 ; R24.1@90.895,162.486 cw(c90.869,162.357) 91,162.357 ; 91,162.357 cw(c91.131,162.357) R24.1@91.105,162.486 ; 91,162.357 cw(c91.131,162.357) R24.1@91.105,162.486 ; 91,162.357 cw(c91.131,162.357) R24.1@91.105,162.486 ; 91.186,82 92.135,81.051 94.905,81.051 95.853,82 R26.1@96,82 96,86.006 96.59,86.595 96.59,87.556 96.8,87.767 96.8,89.395 96.865,89.46 ; R24.1@91.367,162.77 cw(c91.922,162.215) 91.922,163 ; R24.1@91.367,162.77 cw(c91.922,162.215) 91.922,163 ; R24.1@91.367,162.77 cw(c91.922,162.215) 91.922,163 ; R24.1@91.367,163.23 ccw(c91.922,163.785) 91.922,163 ; R24.1@91.367,163.23 ccw(c91.922,163.785) 91.922,163 ; R24.1@91.367,163.23 ccw(c91.922,163.785) 91.922,163 ; R24.1@91.508,162.629 cw(c92.404,161.733) 92.404,163 ; R24.1@91.508,162.629 cw(c92.404,161.733) 92.404,163 ; R24.1@91.508,162.629 cw(c92.404,161.733) 92.404,163 ; R24.1@91.508,163.371 ccw(c92.404,164.267) 92.404,163 ; R24.1@91.508,163.371 ccw(c92.404,164.267) 92.404,163 ; R24.1@91.508,163.371 ccw(c92.404,164.267) 92.404,163 ; 94.95,81.097 cw(c95.863,80.184) R26.1@95.863,81.475 ; 94.95,81.097 cw(c95.863,80.184) R26.1@95.863,81.475 ; 94.95,81.097 cw(c95.863,80.184) R26.1@95.863,81.475 ; 94.974,81.12 ccw(c94.094,82) R26.1@95.338,82 ; 94.974,81.12 ccw(c94.094,82) R26.1@95.338,82 ; 94.974,81.12 ccw(c94.094,82) R26.1@95.338,82 ; 95.194,81.461 cw(c96.013,81.241) R26.1@95.848,82.074 ; 95.194,81.461 cw(c96.013,81.241) R26.1@95.848,82.074 ; 95.194,81.461 cw(c96.013,81.241) R26.1@95.848,82.074 ; R26.1@95.277,81.771 cw(c95.944,81.592) R26.1@95.81,82.27 ; R26.1@95.277,81.771 cw(c95.944,81.592) R26.1@95.81,82.27 ; R26.1@95.277,81.771 cw(c95.944,81.592) R26.1@95.81,82.27 ; R26.1@95.292,81.438 cw(c95.863,80.867) R26.1@95.863,81.675 ; R26.1@95.292,81.438 cw(c95.863,80.867) R26.1@95.863,81.675 ; R26.1@95.292,81.438 cw(c95.863,80.867) R26.1@95.863,81.675 ; 95.314,81.328 ccw(c95.09,82.163) R26.1@95.936,81.984 ; 95.314,81.328 ccw(c95.09,82.163) R26.1@95.936,81.984 ; 95.314,81.328 ccw(c95.09,82.163) R26.1@95.936,81.984 ; R26.1@95.315,81.462 ccw(c94.777,82) R26.1@95.538,82 ; R26.1@95.315,81.462 ccw(c94.777,82) R26.1@95.538,82 ; R26.1@95.315,81.462 ccw(c94.777,82) R26.1@95.538,82 ; 95.551,92 ccw(c95.551,93.649) v1@96.717,92.483 ; 95.551,92 ccw(c95.551,93.649) v1@96.717,92.483 ; 95.551,92 ccw(c95.551,93.649) v1@96.717,92.483 ; R26.1@95.629,81.412 ccw(c95.448,82.088) R26.1@96.132,81.943 ; R26.1@95.629,81.412 ccw(c95.448,82.088) R26.1@96.132,81.943 ; R26.1@95.629,81.412 ccw(c95.448,82.088) R26.1@96.132,81.943 ; R26.1@95.629,82.371 ccw(c94.733,83.267) 96,83.267 ; R26.1@95.629,82.371 ccw(c94.733,83.267) 96,83.267 ; R26.1@95.629,82.371 ccw(c94.733,83.267) 96,83.267 ; R26.1@95.77,82.23 ccw(c95.215,82.785) 96,82.785 ; R26.1@95.77,82.23 ccw(c95.215,82.785) 96,82.785 ; R26.1@95.77,82.23 ccw(c95.215,82.785) 96,82.785 ; 96,82.785 ccw(c96.785,82.785) R26.1@96.23,82.23 ; 96,82.785 ccw(c96.785,82.785) R26.1@96.23,82.23 ; 96,82.785 ccw(c96.785,82.785) R26.1@96.23,82.23 ; 96,83.267 ccw(c97.267,83.267) R26.1@96.371,82.371 ; 96,83.267 ccw(c97.267,83.267) R26.1@96.371,82.371 ; 96,83.267 ccw(c97.267,83.267) R26.1@96.371,82.371 ; 96.034,92 ccw(c96.034,93.166) v1@96.859,92.341 ; 96.034,92 ccw(c96.034,93.166) v1@96.859,92.341 ; 96.034,92 ccw(c96.034,93.166) v1@96.859,92.341 ; 96.471,92.118 ccw(c96.318,92.383) v1@96.614,92.304 ; 96.471,92.118 ccw(c96.318,92.383) v1@96.614,92.304 ; 96.471,92.118 ccw(c96.318,92.383) v1@96.614,92.304 ; 96.517,92 cw(c96.517,91.717) v1@96.717,91.917 ; 96.517,92 ccw(c96.517,92.683) v1(97,92.2) ; 96.517,92 cw(c96.517,91.717) v1@96.717,91.917 ; 96.517,92 ccw(c96.517,92.683) v1(97,92.2) ; 96.517,92 cw(c96.517,91.717) v1@96.717,91.917 ; 96.517,92 ccw(c96.517,92.683) v1(97,92.2) ; 96.865,89.46 cw(c96.865,88.687) v1@97.474,89.162 ; 96.865,89.46 cw(c96.865,88.687) v1@97.474,89.162 ; 96.865,89.46 cw(c96.865,88.687) v1@97.474,89.162 ; 96.865,89.46 v1@97.842,89.46 ; 96.95,89.46 ccw(c96.95,90.248) v1@97.507,89.691 ; 96.95,89.46 ccw(c96.95,90.248) v1@97.507,89.691 ; 96.95,89.46 ccw(c96.95,90.248) v1@97.507,89.691 ; 97.274,89.46 cw(c97.274,89.006) v1@97.632,89.285 ; 97.274,89.46 cw(c97.274,89.006) v1@97.632,89.285 ; 97.274,89.46 cw(c97.274,89.006) v1@97.632,89.285 ; v1@97.842,89.46 cw(c97.842,88.446) C13.2@98.605,89.114 ; v1@97.842,89.46 ccw(c97.842,90.474) C13.2@98.605,89.806 ; v1@97.842,89.46 cw(c97.842,88.446) C13.2@98.605,89.114 ; v1@97.842,89.46 ccw(c97.842,90.474) C13.2@98.605,89.806 ; v1@97.842,89.46 cw(c97.842,88.446) C13.2@98.605,89.114 ; v1@97.842,89.46 ccw(c97.842,90.474) C13.2@98.605,89.806 ; v1@97.931,89.267 cw(c98.398,88.8) C13.2@98.398,89.46 ; v1@97.931,89.267 cw(c98.398,88.8) C13.2@98.398,89.46 ; v1@97.931,89.267 cw(c98.398,88.8) C13.2@98.398,89.46 ; v1@98.064,89.7 ccw(c98.316,89.968) C13.2@98.411,89.612 ; v1@98.064,89.7 ccw(c98.316,89.968) C13.2@98.411,89.612 ; v1@98.064,89.7 ccw(c98.316,89.968) C13.2@98.411,89.612 ; v1@98.064,89.7 ccw(c98.316,89.968) C13.2@98.411,89.612 ; v1@98.064,89.7 ccw(c98.316,89.968) C13.2@98.411,89.612 ; v1@98.064,89.7 ccw(c98.316,89.968) C13.2@98.411,89.612 ; v1@98.073,89.125 cw(c98.881,88.317) C13.2@98.881,89.46 ; v1@98.073,89.125 cw(c98.881,88.317) C13.2@98.881,89.46 ; v1@98.073,89.125 cw(c98.881,88.317) C13.2@98.881,89.46 ; v1@98.073,89.691 ccw(c98.63,90.248) C13.2@98.63,89.46 ; v1@98.073,89.691 ccw(c98.63,90.248) C13.2@98.63,89.46 ; v1@98.073,89.691 ccw(c98.63,90.248) C13.2@98.63,89.46 ; v1@98.118,89.637 ccw(c98.384,89.823) C13.2@98.468,89.509 ; v1@98.118,89.637 ccw(c98.384,89.823) C13.2@98.468,89.509 ; v1@98.118,89.637 ccw(c98.384,89.823) C13.2@98.468,89.509 ; v1@98.118,89.637 ccw(c98.384,89.823) C13.2@98.468,89.509 ; v1@98.118,89.637 ccw(c98.384,89.823) C13.2@98.468,89.509 ; v1@98.118,89.637 ccw(c98.384,89.823) C13.2@98.468,89.509 ; v1@98.155,89.243 cw(c98.592,89.046) C13.2@98.468,89.509 ; v1@98.155,89.243 cw(c98.592,89.046) C13.2@98.468,89.509 ; v1@98.155,89.243 cw(c98.592,89.046) C13.2@98.468,89.509 ; v1@98.155,89.243 cw(c98.592,89.046) C13.2@98.468,89.509 ; v1@98.155,89.243 cw(c98.592,89.046) C13.2@98.468,89.509 ; v1@98.155,89.243 cw(c98.592,89.046) C13.2@98.468,89.509 ; v1@98.187,89.356 cw(c98.49,89.317) C13.2@98.411,89.612 ; v1@98.187,89.356 cw(c98.49,89.317) C13.2@98.411,89.612 ; v1@98.187,89.356 cw(c98.49,89.317) C13.2@98.411,89.612 ; v1@98.187,89.356 cw(c98.49,89.317) C13.2@98.411,89.612 ; v1@98.187,89.356 cw(c98.49,89.317) C13.2@98.411,89.612 ; v1@98.187,89.356 cw(c98.49,89.317) C13.2@98.411,89.612 ; v1@98.22,89.612 cw(c98.22,89.305) C13.2@98.508,89.413 ; v1@98.22,89.612 ccw(c98.22,89.938) C13.2@98.519,89.808 ; v1@98.22,89.612 cw(c98.22,89.305) C13.2@98.508,89.413 ; v1@98.22,89.612 ccw(c98.22,89.938) C13.2@98.519,89.808 ; v1@98.22,89.612 cw(c98.22,89.305) C13.2@98.508,89.413 ; v1@98.22,89.612 ccw(c98.22,89.938) C13.2@98.519,89.808 ; v1@98.22,89.612 cw(c98.22,89.305) C13.2@98.508,89.413 ; v1@98.22,89.612 ccw(c98.22,89.938) C13.2@98.519,89.808 ; v1@98.283,89.46 cw(c98.283,88.832) C13.2@98.756,89.246 ; v1@98.283,89.46 ccw(c98.283,90.088) C13.2@98.756,89.674 ; v1@98.283,89.46 cw(c98.283,88.832) C13.2@98.756,89.246 ; v1@98.283,89.46 ccw(c98.283,90.088) C13.2@98.756,89.674 ; v1@98.283,89.46 cw(c98.283,88.832) C13.2@98.756,89.246 ; v1@98.283,89.46 ccw(c98.283,90.088) C13.2@98.756,89.674 ; 98.3,89.509 cw(c98.3,89.321) C13.2@98.485,89.357 ; 98.3,89.509 ccw(c98.3,89.738) C13.2@98.512,89.654 ; 98.3,89.509 cw(c98.3,89.321) C13.2@98.485,89.357 ; 98.3,89.509 ccw(c98.3,89.738) C13.2@98.512,89.654 ; 98.3,89.509 cw(c98.3,89.321) C13.2@98.485,89.357 ; 98.3,89.509 ccw(c98.3,89.738) C13.2@98.512,89.654 ; 98.3,89.509 cw(c98.3,89.321) C13.2@98.485,89.357 ; 98.3,89.509 ccw(c98.3,89.738) C13.2@98.512,89.654 ; 99.771,98.095 cw(c99.771,97.129) v1@100.454,97.812 ; 99.771,98.095 ccw(c99.771,99.06) v1@100.454,98.378 ; 99.771,98.095 cw(c99.771,97.129) v1@100.454,97.812 ; 99.771,98.095 ccw(c99.771,99.06) v1@100.454,98.378 ; 99.771,98.095 cw(c99.771,97.129) v1@100.454,97.812 ; 99.771,98.095 ccw(c99.771,99.06) v1@100.454,98.378 ; v1@111.999,124.844 cw(c112.681,124.161) 112.681,125.127 ; v1@111.999,124.844 cw(c112.681,124.161) 112.681,125.127 ; v1@111.999,124.844 cw(c112.681,124.161) 112.681,125.127 ; v1@111.999,125.41 ccw(c112.681,126.093) 112.681,125.127 ; v1@111.999,125.41 ccw(c112.681,126.093) 112.681,125.127 ; v1@111.999,125.41 ccw(c112.681,126.093) 112.681,125.127 ; 121.764,125.127 cw(c121.764,123.529) M.1@122.894,124.659 ; 121.764,125.127 ccw(c121.764,126.725) M.1@122.894,125.595 ; 121.764,125.127 cw(c121.764,123.529) M.1@122.894,124.659 ; 121.764,125.127 ccw(c121.764,126.725) M.1@122.894,125.595 ; 121.764,125.127 cw(c121.764,123.529) M.1@122.894,124.659 ; 121.764,125.127 ccw(c121.764,126.725) M.1@122.894,125.595 ; 122.247,125.127 cw(c122.247,124.012) M.1@123.036,124.8 ; 122.247,125.127 ccw(c122.247,126.242) M.1@123.036,125.454 ; 122.247,125.127 cw(c122.247,124.012) M.1@123.036,124.8 ; 122.247,125.127 ccw(c122.247,126.242) M.1@123.036,125.454 ; 122.247,125.127 cw(c122.247,124.012) M.1@123.036,124.8 ; 122.247,125.127 ccw(c122.247,126.242) M.1@123.036,125.454 ; 135.89,165.89 cw(c137,164.781) P2.1@137,166.35 ; 135.89,165.89 ccw(c134.781,167) P2.1@136.35,167 ; 135.89,165.89 cw(c137,164.781) P2.1@137,166.35 ; 135.89,165.89 ccw(c134.781,167) P2.1@136.35,167 ; 135.89,165.89 cw(c137,164.781) P2.1@137,166.35 ; 135.89,165.89 ccw(c134.781,167) P2.1@136.35,167 ; 136.193,166.416 cw(c137.173,166.153) P2.1@136.97,167.147 ; 136.193,166.416 cw(c137.173,166.153) P2.1@136.97,167.147 ; 136.193,166.416 cw(c137.173,166.153) P2.1@136.97,167.147 ; 136.232,166.232 cw(c137,165.464) P2.1@137,166.55 ; 136.232,166.232 ccw(c135.464,167) P2.1@136.55,167 ; 136.232,166.232 cw(c137,165.464) P2.1@137,166.55 ; 136.232,166.232 ccw(c135.464,167) P2.1@136.55,167 ; 136.232,166.232 cw(c137,165.464) P2.1@137,166.55 ; 136.232,166.232 ccw(c135.464,167) P2.1@136.55,167 ; P2.1@136.277,166.728 cw(c137.101,166.507) P2.1@136.93,167.343 ; P2.1@136.277,166.728 cw(c137.101,166.507) P2.1@136.93,167.343 ; P2.1@136.277,166.728 cw(c137.101,166.507) P2.1@136.93,167.343 ; 136.416,166.193 ccw(c136.153,167.173) P2.1@137.147,166.97 ; 136.416,166.193 ccw(c136.153,167.173) P2.1@137.147,166.97 ; 136.416,166.193 ccw(c136.153,167.173) P2.1@137.147,166.97 ; P2.1@136.728,166.277 ccw(c136.507,167.101) P2.1@137.343,166.93 ; P2.1@136.728,166.277 ccw(c136.507,167.101) P2.1@137.343,166.93 ; P2.1@136.728,166.277 ccw(c136.507,167.101) P2.1@137.343,166.93 ; P2.1@137.318,166.682 cw(c138.086,165.914) 138.086,167 ; P2.1@137.318,166.682 cw(c138.086,165.914) 138.086,167 ; P2.1@137.318,166.682 cw(c138.086,165.914) 138.086,167 ; P2.1@137.318,167.318 ccw(c138.086,168.086) 138.086,167 ; P2.1@137.318,167.318 ccw(c138.086,168.086) 138.086,167 ; P2.1@137.318,167.318 ccw(c138.086,168.086) 138.086,167 ; P2.1@137.46,166.54 cw(c138.569,165.431) 138.569,167 ; P2.1@137.46,166.54 cw(c138.569,165.431) 138.569,167 ; P2.1@137.46,166.54 cw(c138.569,165.431) 138.569,167 ; P2.1@137.46,167.46 ccw(c138.569,168.569) 138.569,167 ; P2.1@137.46,167.46 ccw(c138.569,168.569) 138.569,167 ; P2.1@137.46,167.46 ccw(c138.569,168.569) 138.569,167 ; 144.733,163.54 cw(c144.733,162.273) R18.2@145.629,163.169 ; 144.733,163.54 ccw(c144.733,164.807) R18.2@145.629,163.911 ; 144.733,163.54 cw(c144.733,162.273) R18.2@145.629,163.169 ; 144.733,163.54 ccw(c144.733,164.807) R18.2@145.629,163.911 ; 144.733,163.54 cw(c144.733,162.273) R18.2@145.629,163.169 ; 144.733,163.54 ccw(c144.733,164.807) R18.2@145.629,163.911 ; 145.215,163.54 cw(c145.215,162.755) R18.2@145.77,163.31 ; 145.215,163.54 ccw(c145.215,164.325) R18.2@145.77,163.77 ; 145.215,163.54 cw(c145.215,162.755) R18.2@145.77,163.31 ; 145.215,163.54 ccw(c145.215,164.325) R18.2@145.77,163.77 ; 145.215,163.54 cw(c145.215,162.755) R18.2@145.77,163.31 ; 145.215,163.54 ccw(c145.215,164.325) R18.2@145.77,163.77
pads on no net: 1.0 2.0 3.0 4.0 5.0 A.0 D.0 E.0 F.0 J1.4 J1.6 J1.7 J1.8 J1.9 J1.MH1 J1.MH2 Q.0 R.0 S.0 SP.0 U1.1 U1.2 U1.38 U2.4 W.0 X.0 Z.0

## Polygon pours and split planes (outlines as drawn)
GND on Top Layer "Top Layer-No Net" (solid, pour order 6): 52.1,174.9 149.5,174.9 149.5,77.5 52.1,77.5
GND on Bottom Layer "Top Layer-No Net" (solid, pour order 8): 52.1,174.9 149.5,174.9 149.5,77.5 52.1,77.5

## Keep-outs
Keep-Out Layer:
  lines w0.3: 52.1,77.5 52.1,174.9 149.5,174.9 149.5,77.5 52.1,77.5

## Silkscreen, mask and mechanical layers (free items; w line width, h text height)
Top Overlay:
  text "+" at 77.4,98.6 h1
  text "+" at 87.5,98.6 h1
  text "GK16" at 73.6,90 h10
  text "V1.0" at 90.2,86 h3
  text "15/3/24" at 92.1,82.5 h3
  text "LYQ" at 105.19,82.47 h3
Bottom Overlay:
  text "-" at 129,170.7 h1
  text "TX" at 66.3,170.4 h1 r270
  text "RX" at 68.9,170.4 h1 r270
  text "GND" at 63.7,170.3 h1 r270
  text "5V" at 71.4,170.3 h1 r270
  text "PB15" at 127.4,170.1 h1 r90
  text "PB8" at 132.2,170.1 h1 r90
  text "3.3" at 136.4,170.1 h1 r270
  text "GND" at 134.8,170 h1 r90
  text "1" at 62,154.4 h1 r180
  text "0" at 67.6,153.5 h1
  text "+" at 62.8,84 h1
  text "+" at 67.7,79 h1
Drill Drawing:
  text ".LEGEND" at 155.88,81.28 h1.52
  text "Drill Drawing." at 155.88,78.74 h1.52

## Dimensions
52.1,77.5 to 52.1,174.9 on Mechanical 1
52.1,77.5 to 149.5,77.5 on Mechanical 1

## Text inside footprints (layer, text, board x,y; h text height)
S2: Bottom Overlay "ON" at 65.7,158.5 h0.6 r180